# Altium PCB Gateway.PcbDoc (continued)
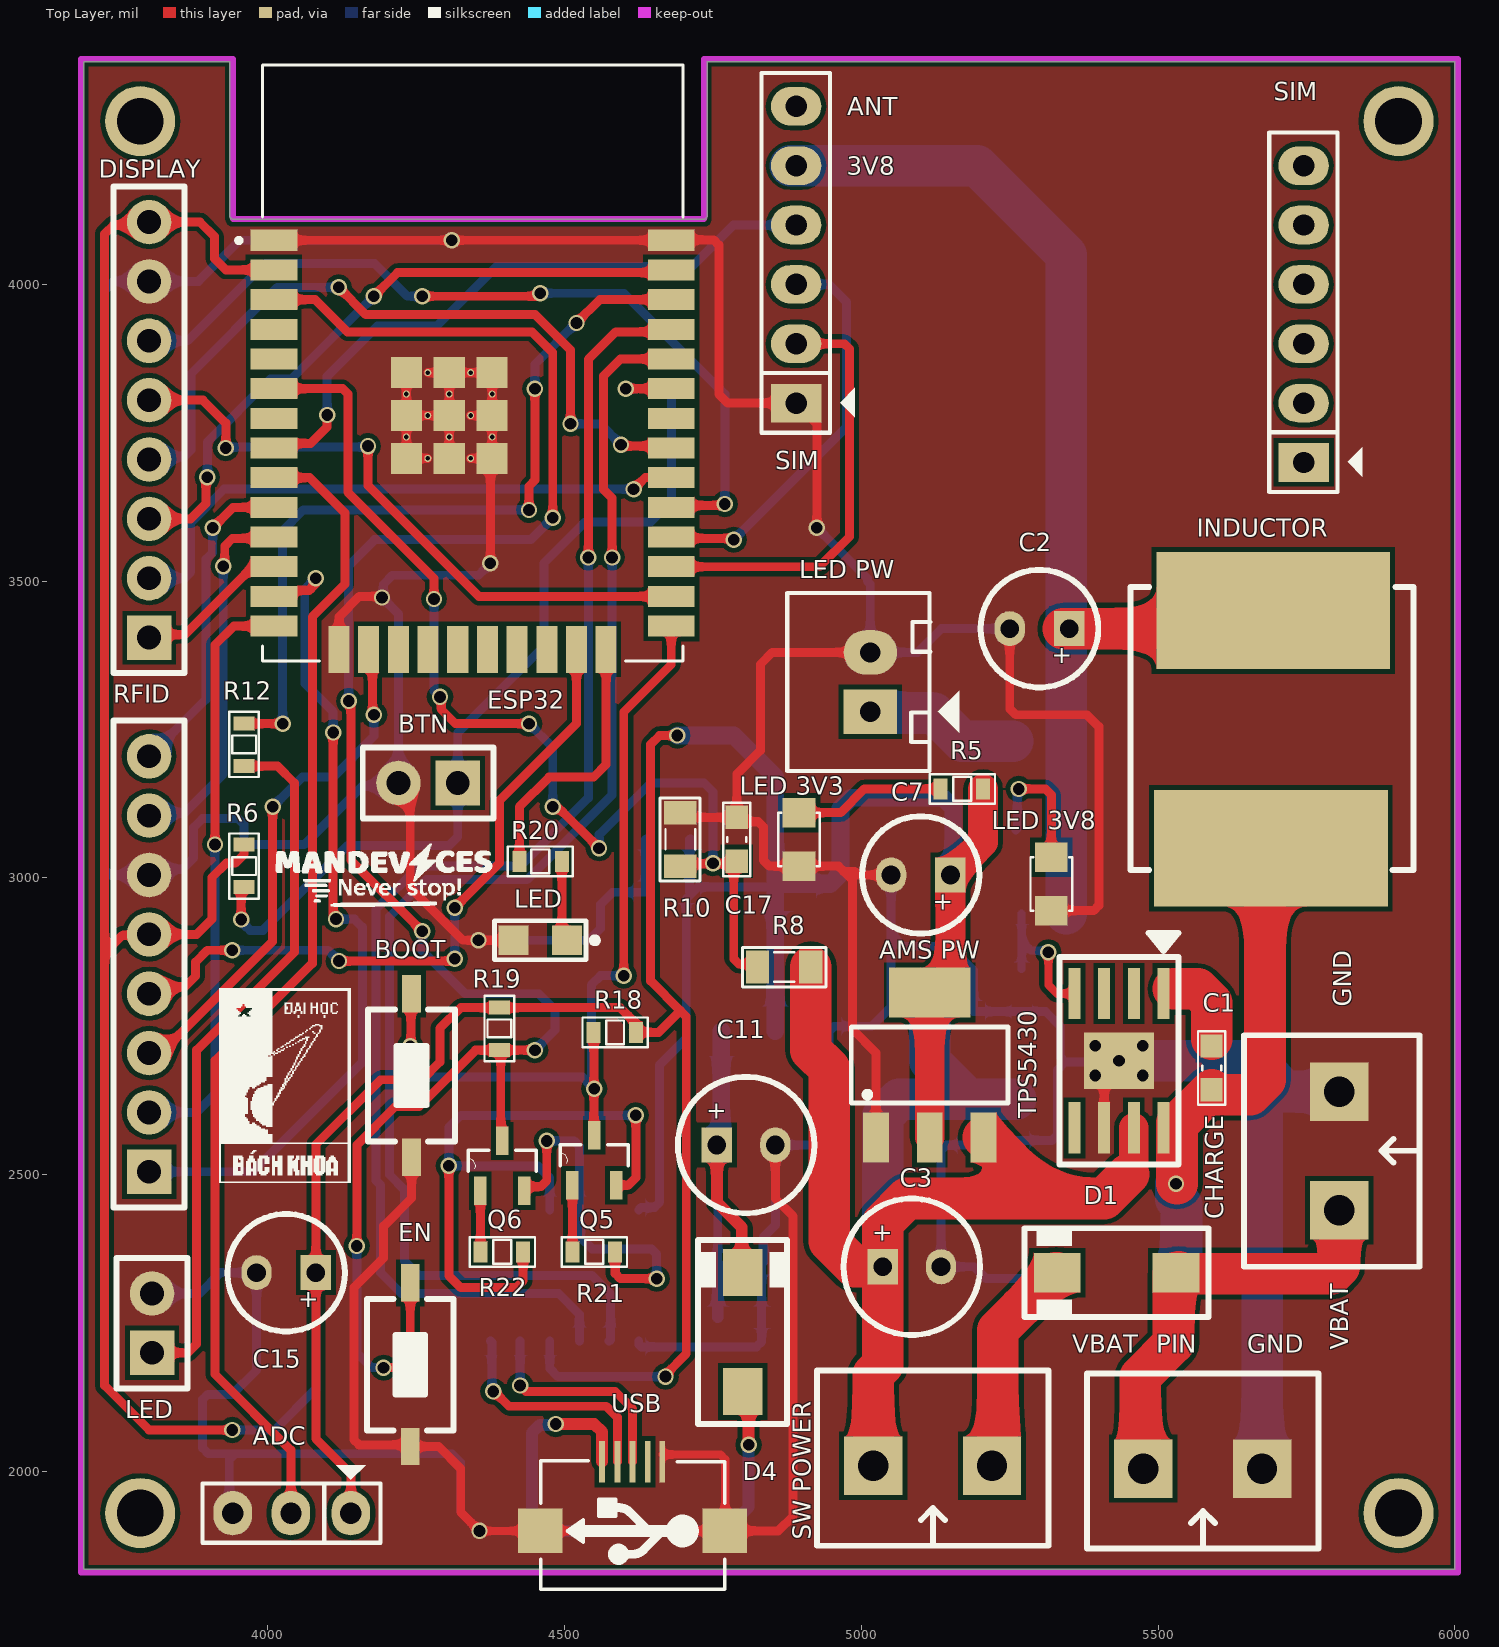
[diagram p0: Top Layer view]
## Footprints (in the part's own frame and the unit in brackets; to place one, negate y for a bottom-side part, rotate by r counter-clockwise, add the part's x,y. Pads: shape width x height; smd on the part's side, far side on the other; paste and mask are expansions set on the pad) (continued)
  silkscreen extent -10.1,-12.75 9,12.75, body extent -10.54,-12.75 8.98,12.75, height 3.2
RES-SMD-0603 [mm]
  rect 0.6x0.9 smd: 1(-0.889,0) 2(0.927,0)
  silkscreen extent -1.4,-0.64 1.4,0.64, body extent -0.8,-0.4 0.8,0.4, height 0.43
RES-SMD-0805 [mil]
  rect 39.37x55 smd: 1(-45,0) 2(45,0)
  silkscreen extent -70,-34 70,33, body extent -39,-25 39,25, height 31
SMA [mm]
  rect 2x1.7 smd: 1(-2.544,0) 2(2.544,0)
  silkscreen extent -3.94,-1.9 3.94,1.91, body extent -2.87,-1.4 2.87,1.4, height 2.29
SOP-16 [mm]
  rect 0.6x1.2 smd: 1(-4.445,-2.8) 2(-3.175,-2.8) 3(-1.905,-2.8) 4(-0.635,-2.8) 5(0.635,-2.8) 6(1.905,-2.8) 7(3.175,-2.8) 8(4.445,-2.8) 9(4.445,2.8) 10(3.175,2.8) 11(1.905,2.8) 12(0.635,2.8) 13(-0.635,2.8) 14(-1.905,2.8) 15(-3.175,2.8) 16(-4.445,2.8)
  silkscreen extent -5.84,-2.67 5.26,1.95, body extent -4.95,-3.47 4.95,3.47, height 1.75
SOT95P240X97-3N [mil]
  rect 48x21 smd: 1(-42,37) 2(-42,-37) 3(42,0)
  silkscreen extent -9,-57 26,57
SOT223 [mm] "SOT-223/SC-73; 4 Leads; Body 6.7 x 7.3 mm, inc. leads (LxW max)"
  rect 1.1x2.15 smd: 1(-2.3,-3.1) 2(0,-3.1) 3(2.3,-3.1)
  rect 3.5x2.15 smd: 4(0,3.1)
  silkscreen extent -3.35,-1.63 3.35,1.63, body extent -3.43,-1.65 3.43,1.65, height 2.54
SW-SMD [mm] "Switch SMD type"
  rect 1.6x0.8 smd: 1(-3.5,0) 2(3.5,0)
  silkscreen extent -2.82,-1.85 2.82,1.85, body extent -3.05,-1.85 3.05,1.85, height 2.5
TPS5430-2 [mm]
  rect 2.2x0.508 smd: 1(-2.875,1.905) 2(-2.875,0.635) 3(-2.875,-0.635) 4(-2.875,-1.905) 5(2.875,-1.905) 6(2.875,-0.635) 7(2.875,0.635) 8(2.875,1.905)
  rect 2.413x2.54 smd: 9(0,0.229) 9(0,-0.229)
  silkscreen extent -5.46,-2.54 4.45,2.54, body extent -3.33,-2.49 3.33,2.49, height 1.69
USB-M1 [mil]
  rect 10x70 smd: 1(51.18,0) 2(25.59,0) 3(0,0) 4(-25.59,0) 5(-50,0)
  rect 74.8x74.8 smd: 5(-155.51,116.84) 5(155.51,116.84)
  silkscreen extent -155,-1 155,215, body extent -157,5 158,218, height 107

## Part data
ADC: library part "JP 1x3 2.54 Cai Thang", "C?m", Chung_Loai=C?m, Don_Vi=Con, Ma_Hang=MH004006, Ten_Linh_Kien="Jump Ðon Cái 2.54MM 1x20P Th?ng"
"AMS 5V" "AMS PW": library part "AMS1117 SMD", "Dán", Chung_Loai=Dán, Don_Vi=Con, Ma_Hang=MH000596
BOOT EN: library part SW2, "Switch button 2 pin"
BTN LED: "Header, 2-Pin", LatestRevisionDate=17-Jul-2002, LatestRevisionNote="Re-released for DXP Platform.", Publisher="Altium Limited"
C1 C4 C5 C8: library part C, "4.7µF ±10% 35V Ceramic Capacitor X5R 0805 (2012 Metric)", Manufacturer="Samsung Electro-Mechanics", Package=0805, Part Number=CL21A475KLCLQNC, Category=CAPACITOR, User_Description="CAP CER 4.7UF 35V X5R 0805"
C2 C7: library part "Cap Pol", "Polarized Capacitor (Axial)", LatestRevisionDate=17-Jul-2002, LatestRevisionNote="Re-released for DXP Platform.", PackageReference=POLAR0.8, Published=8-Jun-2000, Publisher="Altium Limited"
C3 C11 C15: library part CP3, "Cap 470uF/63V"
C6 C10: library part C, "Cap SMD", Manufacturer="Samsung Electro-Mechanics", Package=0805, Part Number=CL21A106KPFNNNG, Category=CAPACITOR, User_Description="CAP CER 10UF 10V X5R 0805"
C13 C14 C17: library part CapSMD, "Capacitor", LatestRevisionDate=17-Jul-2002, LatestRevisionNote="Re-released for DXP Platform.", PackageReference=RAD-0.3, Published=8-Jun-2000, Publisher="Altium Limited"
CH340: "USB to serial chip CH340", Package=Package, Availability=Unavailable, Check_prices=https://www.snapeda.com/parts/CH340C/WCH/view-part/5428851/?ref=eda, MF=WCH, MP=CH340C, Price=None, SnapEDA_Link=https://www.snapeda.com/parts/CH340C/WCH/view-part/5428851/?ref=snap
CHARGE PIN "SW POWER": "WR-PHD 2.54 mm Angled Socket Header", Manufacturer="W¨¹rth Elektronik eiSos GmbH", partNo=613002143121, ComponentLink1 Description=Manufacturer, ComponentLink1URL=http://www.we-online.com, ComponentLink2 Description=Datasheet, ComponentLink2URL=http://katalog.we-online.de/em/datasheet/6130xx143121.pdf, Created by="Karrer Zheng", Created Date="29 March 2013", NoPins=02
D1 D4: library part D1A, "Diode 1A"
D2: "Zener Diode", LatestRevisionDate=17-Jul-2002, LatestRevisionNote="Re-released for DXP Platform.", PackageReference=DIODE-0.7, Published=8-Jun-2000, Publisher="Altium Limited"
DISPLAY RFID: "Header, 8-Pin", LatestRevisionDate=17-Jul-2002, LatestRevisionNote="Re-released for DXP Platform.", Publisher="Altium Limited"
ESP32: "Bluetooth, WiFi 802.11b/g/n, Bluetooth v4.2 +EDR, Class 1, 2 and 3 Transceiver Module 2.4GHz ~ 2.5GHz Antenna Not Included, U.FL Surface Mount", Package="Module Espressif Systems", Availability="In Stock", Check_prices=https://www.snapeda.com/parts/ESP32-WROOM-32/Espressif+Systems/view-part/?ref=eda, MF="Espressif Systems", MP=ESP32-WROOM-32, Price=None, Purchase-URL=https://pricing.snapeda.com/search/part/ESP32-WROOM-32/?ref=eda, SnapEDA_Link=https://www.snapeda.com/parts/ESP32-WROOM-32/Espressif+Systems/view-part/?ref=snap
INDUCTOR: library part L1, "22µH Shielded Inductor 1.65A 96mOhm Max Nonstandard", Manufacturer="Bourns Inc.", Package=SMD, Part Number=SRR0745A-220M, Category=INDUCTORS, User_Description="FIXED IND 22UH 1.65A 96 MOHM SMD"
LED: library part LED0805, "LED SMD 0805"
"LED 3V3" "LED 3V8": library part LED, "LED RED DIFFUSED 0805 SMD", Manufacturer="OSRAM Opto Semiconductors Inc.", Package=0805, Part Number="LS R976-NR-1", Category="LED SMD", User_Description="LED RED DIFFUSED 0805 SMD"
"LED PW": library part JP2, "WR-PHD 2.54 mm Angled Socket Header", Manufacturer="W¨¹rth Elektronik eiSos GmbH", partNo=613002143121, ComponentLink1 Description=Manufacturer, ComponentLink1URL=http://www.we-online.com, ComponentLink2 Description=Datasheet, ComponentLink2URL=http://katalog.we-online.de/em/datasheet/6130xx143121.pdf, Created by="Karrer Zheng", Created Date="29 March 2013", NoPins=02
Q5 Q6: "Bipolar (BJT) Transistor NPN 45V 500mA 100MHz 250mW Surface Mount TO-236AB", Package="SOT-23-3 Rectron", Availability="In Stock", Check_prices=https://www.snapeda.com/parts/BC817/Rectron/view-part/?ref=eda, MF=Rectron, MP=BC817, Price=None, Purchase-URL=https://pricing.snapeda.com/search/part/BC817/?ref=eda, SnapEDA_Link=https://www.snapeda.com/parts/BC817/Rectron/view-part/?ref=snap
R1 R2 R5: library part R, "Resistor 1/4W", Manufacturer=Yageo, Package=0805, Part Number=RC0805FR-071KL, Category=RESISTORS, User_Description="RES SMD 1K OHM 1% 1/8W 0805"
R3: library part R, "RES SMD 10K OHM 1% 1/8W 0805", Manufacturer=Yageo, Package=0805, Part Number=RC0805FR-0710KL, Category=RESISTORS, User_Description="RES SMD 10K OHM 1% 1/8W 0805"
R4: library part R, "RES SMD 3.3K OHM 1% 1/8W 0805", Manufacturer=Yageo, Package=0805, Part Number=RC0805FR-073K3L, Category=RESISTORS, User_Description="RES SMD 3.3K OHM 1% 1/8W 0805"
R6 R8 R10 R12 R18 R19 R20 R21 R22: library part "Resistor - SMD", "Resistor SMD", Manufacturer="Generic Components", Class=Passive, Published=08/06/2000, Publisher="Altium Hobart Technology Centre"
SIM SIM: library part JP6
USB: Manufacturer=FCI, Manufacturer Part Number=10118193-0001LF, Supplier Part Number 1=609-4616-1-ND, .Checked PCB=RF, .Checked SCH=MM, .Creator=MM, Category="Connectors, Interconnects", ComponentLink1Description=http://portal.fciconnect.com/Comergent//fci/drawing/10118193.pdf, ComponentLink1URL=http://portal.fciconnect.com/Comergent//fci/drawing/10118193.pdf, Connector Type="USB - micro B", Features="Shielded, Solder Retention", Gender=Receptacle, Ingress Protection=-, Mounting Type="Surface Mount, Right Angle, Horizontal", Number of Contacts=5, Packaging="Cut Tape (CT)", Pricing 1="1=0.46, 10=0.433, 25=0.3712, 50=0.3156, 100=0.3032, 250=0.27224, 500=0.25988 (USD)", RoHS="RoHS Compliant", Specifications="USB 2.0", Stock 1=28642, Supplier 1=Digi-Key
TPS5430: Name=TPS5430

## Free pads (board coordinates)
  round 118.11 hole 78.74: 0(3785,1930) 0(3785,4275) 0(5905,1930) 0(5905,4275)

## Via types
v1: diameter 27.56, hole 19.68, Top Layer to Bottom Layer, tented both sides, 68 vias
v2: diameter 35.43, hole 19.68, Top Layer to Bottom Layer, 5 vias

## Nets (pads, with @x,y where several pads share a name; then routed paths per layer and width w, separated by ;. In a path a pad name is that pad's centre, name@x,y a point inside that pad or via, vN(x,y) a via of type N, cw(c..) or ccw(c..) an arc to the next point about the centre after c; other vN are vias at no path point)
3V3: "AMS 5V.2" "AMS 5V.4" "AMS PW.2" "AMS PW.4" ADC.1 C7.1 C13.1 C14.1 C15.1 CH340.4 CH340.16 DISPLAY.8 ESP32.2 R5.1 R6.2 R18.1 R19.1 RFID.5 | length 8721.3
  Top Layer w15: v1(3940,2070) 3800,2070 3725,2145 3725,2873.51 ; R6.2 3960,3040 3945,3025 3930,3025 3905.75,3000.75 3905.75,2930.75 3880,2905 RFID.5 3798.51,2903.51 3755,2903.51 3725,2873.51 ; ESP32.2 3929.37,4024.37 3910,4043.74 3910,4080.77 3885.77,4105 DISPLAY.8 3795,4100 3740,4100 3725,4085 3725,2873.51 ; ADC.1 4140,1996.25 4081,2055.25 C15.1 4081,2551 4190,2660 4260,2660 4290,2690 4290,2746.49 4325,2781.49 R19.1 4593.51,2781.49 4620.16,2754.84 R18.1 4658.51,2740 4695,2776.49 ; v1(4670,2160) 4670,2163.4 4705,2198.4 4705,2766.49 4695,2776.49 ; v1(4690,3240) 4660,3240 4645,3225 4645,2826.49 4695,2776.49
  Top Layer w50: 5115,2562.95 5115,2807.05 5141.57,2807.05 5148.9,2814.37 5148.9,2840.95 5150,2842.05 C7.1 5205,3060 R5.1
  Bottom Layer w15: v1(3940,2070) 4011.6,2070 4081,2139.4 C15.1 ; CH340.4 4475,2173.79 4488.79,2160 v1(4670,2160) ; CH340.16 4625,2440.69 4629.31,2445 4651.21,2445 4660,2453.79 4660,2685 4705,2730 4705,2965 4725,2985 4854.07,2985 4855,2985.93 ; C14.1@4710.5,2977.5 4710.5,3064.5 C13.1
  Bottom Layer w30: v1(4690,3240) 4785,3240 4855,3170 4855,2985.93 ; 4855,2741.83 4855,2985.93 ; C7.1 5155,3010 5155,3117.43 5137.43,3135 4982.57,3135 4965,3117.43 4965,3007.57 4947.43,2990 4859.07,2990 4855,2985.93
3V8: C2.1 INDUCTOR.2 R1.1 R2.1 R3.2 SIM.5@4890,4200 | length 1985.1
  Top Layer w70: C2.1@5340,3420 C2.1 5663.15,3420 INDUCTOR.2
  Bottom Layer w70: SIM.5@4880,4200 4890,4200 5195,4200 5345,4050 C2.1@5345,3420 ; R3.2@5345,2940 R1.1@5345,3072.49 ; R1.1@5345,3086 R2.1 C2.1@5345,3415
5V: "AMS 5V.3" C6.1 C10.1 C11.1 D4.2 | length 718.8
  Top Layer w20: C11.1 4756.57,2453.43 4798.46,2411.54 4798.46,2336.69 D4.2
  Bottom Layer w15: C11.1 4758,2548.57 C6.1
  Bottom Layer w20: C10.1 C6.1
  Bottom Layer w30: C11.1 4763.9,2557.32 4763.9,2741.83 4764.45,2741.83
CH340_RX: CH340.3 ESP32.35 | length 2359.7
  Top Layer w15: v1(4540,3540) 4540,3873.77 4586.23,3920 4675.28,3920 ESP32.35
  Bottom Layer w15: CH340.3 4525,2265 4490,2300 4225,2300 4190,2335 4190,2482.65 4182.13,2490.53 4182.13,2947.13 4255,3020 4425,3020 4540,3135 v1(4540,3540)
CH340_TX: CH340.2 ESP32.34 | length 2338.5
  Top Layer w15: v1(4580,3540) 4580,3640 4565.85,3654.15 4565.85,3845.85 4594.37,3874.37 ESP32.34
  Bottom Layer w15: CH340.2 4577.6,2222.36 4577.6,2298.63 4546.23,2330 4255,2330 4230,2355 4230,2475 4205,2500 4205,2935 4267.13,2997.13 4437.13,2997.13 4580,3140 v1(4580,3540)
D0_N: CH340.6 USB.2 | length 388.2
  Top Layer w15: v1(4380,2135) 4381.31,2135 4406.31,2110 4570,2110 4588.9,2091.1 USB.2
  Bottom Layer w15: CH340.6 4377.6,2217.17 4377.6,2137.4 v1(4380,2135)
D0_P: CH340.5 USB.3 | length 369.4
  Top Layer w15: v1(4425,2145) 4425,2144.84 4435,2134.84 4585.16,2134.84 4614.49,2105.51 USB.3
  Bottom Layer w15: v1(4425,2145) CH340.5
EN: EN.1 ESP32.3 Q6.3 R19.2 | length 3308.5
  Top Layer w15: ESP32.3 4079.78,3974.37 4134.15,3920 4445,3920 4480,3885 v1(4480,3606.83) ; v1(4136.25,3298.12) 4140,3294.37 4140,3030 v1(4260,2910) ; v1(4150,2380) 4150,2550 4215,2615 4255,2615 4350,2710 R19.2 ; v1(4195,2175) 4215,2175 4240,2200 EN.1 ; Q6.3 4392.5,2559.5 4392.5,2707.5 R19.2 ; v1(4450,2710) R19.2
  Bottom Layer w15: v1(4136.25,3298.12) 4136.25,3526.25 4180,3570 4443.17,3570 v1(4480,3606.83) ; v1(4150,2380) 4150,2200 4175,2175 v1(4195,2175) ; v1(4260,2910) 4260,2877.56 4332.56,2805 4456.72,2805 4483.55,2778.16 4483.55,2743.55 v1(4450,2710)
GND: "AMS 5V.1" "AMS PW.1" "LED 3V3.2" "LED 3V8.2" "LED PW.2" ADC.3 BOOT.2 BTN.2 C2.2 C3.2 C4.1 C5.1 C6.2 C7.2 C8.1 C10.2 C11.2 C13.2 C14.2 C15.2 C17.1 CH340.1 CHARGE.1 D2.1 DISPLAY.7 EN.2 ESP32.1 ESP32.15 ESP32.38 ESP32.39_1 ESP32.39_2 ESP32.39_3 ESP32.39_4 ESP32.39_5 ESP32.39_6 ESP32.39_7 ESP32.39_8 ESP32.39_9 ESP32.39_10 ESP32.39_11 ESP32.39_12 ESP32.39_13 ESP32.39_14 ESP32.39_15 ESP32.39_16 ESP32.39_17 ESP32.39_18 ESP32.39_19 ESP32.39_20 ESP32.39_21 LED.2 PIN.1 R4.1 R10.1 RFID.6 SIM.1@4890,3800 TPS5430.6 TPS5430.9 USB.5 | length 15666.9
  Top Layer w13.78: v1(4356.54,1900) 4458.98,1900 USB.5@4770,1900 ; USB.5@4665,2028.68 4762.44,2028.68 4770.51,2020.61 USB.5@4770.51,1911.84
  Top Layer w15: ESP32.1 v1(4310,4074.37) ESP32.38 4680.28,4075 4751.21,4075 4760,4066.21 4760,3815 4775,3800 4890,3800 4925,3765 v1(4925,3590) ; ESP32.15 4120,3440 4154.37,3474.37 v1@4192.5,3474.37 ; BTN.2 4240,3140 4240,2983.77 4328.77,2895 v1(4355,2895) LED.2@4413.98,2895 ; ESP32.39_1 ESP32.39_12 ESP32.39_4 ; BOOT.2 4242.13,2460.55 4195,2413.43 4195,2360 4145,2310 4145,2053.79 4153.79,2045 4237.2,2045 EN.2 4287.8,2042.2 4325,2005 4325,1931.54 v1(4356.54,1900) ; ESP32.39_20 ESP32.39_7 ESP32.39_17 ESP32.39_4 ; ESP32.39_10 ESP32.39_2 ; ESP32.39_8 ESP32.39_18 ESP32.39_5 ; ESP32.39_21 ESP32.39_9 ; ESP32.39_16 ESP32.39_6 ; v1(4375,3530) 4375,3703.98 ESP32.39_9 ; R10.1 4703,3102 C17.1 ; USB.5@4770,1900 4860,1900 4885,1925 4885,2430 4855,2460 C11.2 ; 5015,3380 4850,3380 4830,3360 4830,3215 4790,3175 C17.1 ; 5024.45,2562.95 5024.45,2705.55 4985,2745 4985,2996.21 4970,3011.21 ; C7.2 4995,3005 4988.79,3011.21 4970,3011.21 ; C2.2 5250,3285 5260,3275 5380,3275 5400,3255 5400,2953.79 5391.21,2945 5320,2945 ; TPS5430.6 5409,2676.13 TPS5430.9@5425,2692.13 ; ESP32.39_4 ESP32.39_15 ESP32.39_5 ; ESP32.39_5 ESP32.39_13 ESP32.39_2 ; ESP32.39_2 ESP32.39_11 ESP32.39_3 ESP32.39_14 ESP32.39_6 ; ESP32.39_9 ESP32.39_19 ESP32.39_6 ; C17.1 4797,3095 4826.21,3095 4835,3086.21 4835,3030 4845,3020 4895,3020 4961.21,3020 4970,3011.21
  Bottom Layer w15: LED.2@3805,2300 3885,2300 3920,2335 C15.2 3981,2171 3940,2130 3898.79,2130 3890,2121.21 3890,2040 3900,2030 3945,2030 ; ADC.3 3935,1936 3935,2020 3945,2030 ; v1(4310,4074.37) 3952.54,4074.37 3883.17,4005 DISPLAY.7 3740,4005 3725,3990 3725,3013.79 3733.79,3005 RFID.6 3810,3015 3856.21,3015 3875,3033.79 3875,3085 3890,3100 3950,3100 3960,3090 3960,3065 3968.79,3056.21 4061.21,3056.21 4160,3155 4215,3155 BTN.2 4220,3445 v1(4192.5,3472.5) 4194.9,3474.9 4194.9,3494.9 4210,3510 4355,3510 v1(4375,3530) ; v1(4355,2895) 4540.63,2895 4560.63,2915 4560.63,2955.63 4581,2976 C14.2 4636.5,2977.5 4636.5,3064.5 C13.2 ; v1(4356.54,1900) 4325,1931.54 4325,2015 4310,2030 3945,2030 ; CH340.1 4625,2214.31 4629.31,2210 4823.2,2210 4832,2218.8 C10.2 C6.2 4835,2353 4835,2395 4855,2415 C11.2 4925,2550 4945.55,2570.55 4945.55,2741.83 4953.93,2750.21 5017.5,2750.21 5050,2782.71 5050,2905 ; v1(4925,3590) 5010,3505 5010,3500 5015,3495 5015,3380 5095,3380 5135,3420 C2.2 ; C7.2 5050,2905 ; D2.1 5329.84,2325 5210,2325 5190,2345 C3.2 5134.21,2541.21 5143,2550 5177,2550 C4.1 5185,2558 C5.1 5321.21,2558 5330,2566.79 5330,2676.21 5343.79,2690 ; 5470,2692.13 5467.87,2690 5343.79,2690 ; 5050,2905 5070,2885 5148,2885 5189,2844 C8.1 5280,2775 5310.22,2775 5335,2750.21 5335,2698.79 5343.79,2690
  Bottom Layer w70: 5470,2692.13 5662.87,2692.13 5675,2680 ; PIN.1 5675,2680 ; CHARGE.1 5715,2640 5675,2680
  other v2: 5394,2667.13 5474,2667.13 5434,2692.13 5394,2717.13 5474,2717.13
IO2: ESP32.24 R20.1 | length 461.2
  Top Layer w15: R20.1 4423.97,3120 4473.98,3170 4548.67,3170 4570,3191.33 ESP32.24
IO_0: BOOT.1 ESP32.25 Q5.3 R18.2 | length 1468.6
  Top Layer w15: v1(4240,2716.29) 4241.06,2717.35 4241.06,2803.86 BOOT.1 ; R18.2 4549.33,2739.33 4549.33,2567.17 Q5.3 ; v1@4603.04,2835.47 v1(4599.65,2835.47) 4599.65,3279.65 4679.65,3359.65 ESP32.25
  Bottom Layer w15: v1(4240,2716.29) 4242.4,2713.88 4242.4,2692.6 4270,2665 4530,2665 v1(4550,2645) ; v1@4545,2653.4 4545,2819.84 4560.63,2835.47 v1(4599.65,2835.47)
NetC1_1: C1.1 D2.2 INDUCTOR.1 TPS5430.8 | length 870.9
  Top Layer w20: TPS5430.8 5517.31,2587.24 5531.69,2587.24
  Top Layer w70: v1@5531.69,2485.16 5531.69,2584.69 ; 5531.69,2587.24 5531.69,2584.69 ; INDUCTOR.1 5680,3040 5680,2660 5655,2635 5598,2635 C1.1 5531.69,2584.69
  Bottom Layer w70: v1(5530,2485) 5530,2459.05 5539.53,2449.53 5539.53,2331.54 5537.99,2330 D2.2
NetC1_2: C1.2 TPS5430.1 | length 135.6
  Top Layer w70: 5525.79,2813 5567,2813 5590,2790 C1.2@5590,2728.11
NetC17_2: C17.2 ESP32.6 R8.1 R10.2 | length 1828.2
  Top Layer w15: ESP32.6 4126.21,3824.37 4135,3815.58 4135,3650 4280,3505 v1(4280,3470) ; v1(4290,3305) 4292.4,3302.6 4292.4,3283.79 4316.19,3260 v1(4440,3260) ; v1(4480,3120) 4488.04,3120 v1(4558.04,3050) ; R10.2 4699,3024 C17.2@4786,3024 ; C17.2 C17.2@4786,3024 ; R8.1 4820,2855 4793.79,2855 4785,2863.79 4785,3023 C17.2@4786,3024
  Bottom Layer w15: v1(4280,3470) 4280,3315 v1(4290,3305) ; v1(4440,3260) 4480,3220 v1(4480,3120) ; v1(4558.04,3050) 4558.04,3073.04 4645,3160 4735,3160 4750,3145 v1(4750,3025)
NetCH340_13: CH340.13 Q5.2 R22.1 | length 1138.3
  Top Layer w15: v1(4305,2515) 4305,2330 4325,2310 4418.62,2310 4430,2321.39 4430,2364.8 4427.4,2367.4 R22.1 ; Q5.2 4607.5,2482.5 4620,2495 v1(4620,2600)
  Bottom Layer w15: CH340.13 4475,2495 4455,2515 v1(4305,2515) 4305,2580 4325,2600 v1(4620,2600)
NetCH340_14: CH340.14 Q6.2 R21.1 | length 618.4
  Top Layer w15: Q6.2 4432,2477 4435,2480 4460,2480 4470,2490 v1(4470,2557) ; R21.1 4585,2333.79 4593.79,2325 v1(4655,2325)
  Bottom Layer w15: v1(4470,2557) 4516,2557 4525,2548 CH340.14 4527.12,2438.12 4527.12,2394.11 4546.23,2375 4646.21,2375 4655,2366.21 v1(4655,2325)
NetD1_1: CHARGE.2 D1.1 PIN.2 | length 738.9
  Top Layer w70: PIN.2 5470,2010 5470,2160 5525.79,2215.79 5525.79,2333.46 5527.32,2335 D1.1 ; D1.1@5534.53,2336.54 5532.99,2335 D1.1 ; CHARGE.2 5805,2345 5793.46,2333.46 5531.69,2333.46 D1.1
NetD1_2: "SW POWER.1" D1.2 | length 372.2
  Top Layer w70: 5220,2010 5230,2020 5230,2237.99 5327.01,2335 D1.2
NetD4_1: D4.1 USB.1 | length 918.6
  Top Layer w20: v1(4485,2080) 4550,2080 4563.31,2066.69 USB.1 ; D4.1 4810,2124.84 v1(4810,2045)
  Bottom Layer w20: v1(4485,2080) 4483.55,2078.55 4458.55,2078.55 4445,2065 4445,1911.72 4456.72,1900 4770,1900 4810,1940 v1(4810,2045)
NetJ3_1: "LED PW.1" R2.2 | length 260.7
  Bottom Layer w70: 5015,3280 5017.5,3277.5 5122.5,3277.5 5170,3230 R2.2
NetJP1_2: ESP32.27 SIM.2@4890,3900 | length 766.2
  Top Layer w15: ESP32.27 4929.37,3524.37 4980,3575 4980,3891.21 4971.21,3900 SIM.2@4855,3900
NetJP1_3: ESP32.28 SIM.3@4890,4000 | length 718.3
  Top Layer w15: ESP32.28 4681.83,3572.19 4782.81,3572.19 v1(4785,3570)
  Bottom Layer w15: v1(4785,3570) 4975,3760 4975,3970 4945,4000 SIM.3@4855,4000
NetJP1_4: ESP32.8 SIM.4@4890,4100 | length 1050
  Top Layer w15: ESP32.8 4018.21,3732.22 4072.22,3732.22 4100,3760 v1(4100,3780)
  Bottom Layer w15: v1(4100,3780) 4100,3845 4185,3930 4285,3930 4385,4030 4714.45,4030 4784.45,4100 SIM.4@4855,4100
NetJP3_2: ADC.2 ESP32.9 | length 1973
  Top Layer w15: ESP32.9 4070.63,3674.37 4130,3615 4130,3495 4075,3440 4075,2856.23 3911,2692.23 3911,2164 4039,2036 ADC.2
NetLED_1: LED.1@4503.98,2895 R20.2 | length 136.5
  Top Layer w15: R20.2 4495.46,2903.51 LED.1@4503.98,2895
NetP1_1: DISPLAY.1 ESP32.12 | length 259.8
  Top Layer w15: DISPLAY.1 3805,3410 3859.99,3410 3974.36,3524.37 ESP32.12
NetP1_2: DISPLAY.2 ESP32.30 | length 999.1
  Top Layer w15: v1(4616.21,3655) 4635.9,3674.69 4679.33,3674.69 ESP32.30
  Bottom Layer w15: DISPLAY.2 3860,3505 3869.99,3514.99 3869.99,3598.77 3926.21,3655 v1(4616.21,3655)
NetP1_3: DISPLAY.3 ESP32.37 | length 1112.7
  Top Layer w15: DISPLAY.3 3870,3605 3895.77,3630.77 3895.77,3672.6 v1(3898.17,3675) ; v1(4178.72,3980) 4218.72,4020 4675.28,4020 ESP32.37
  Bottom Layer w15: v1(3898.17,3675) 3898.17,3734.4 4004.41,3840.64 4039.36,3840.64 v1(4178.72,3980)
NetP1_4: DISPLAY.4 ESP32.31 | length 1260.2
  Top Layer w15: v1(4119.37,3995) 4165.22,3949.15 4450.22,3949.15 4510,3889.37 v1(4510,3765) ; v1(4595,3730) 4597.4,3727.6 4676.42,3727.6 ESP32.31
  Bottom Layer w15: DISPLAY.4 3805,3710 3860,3710 3870.61,3720.61 3870.61,3849.39 4016.21,3995 v1(4119.37,3995) ; v1(4510,3765) 4560,3765 v1(4595,3730)
NetP1_5: DISPLAY.5 ESP32.26 | length 1082.7
  Top Layer w15: DISPLAY.5 3890.77,3805 3929.37,3766.4 v1(3929.37,3724.37) ; v1(4168.72,3727.6) 4168.72,3661.28 4355.63,3474.37 ESP32.26
  Bottom Layer w15: v1(3929.37,3724.37) 3930.98,3725.98 4167.11,3725.98 v1(4168.72,3727.6)
NetP1_6: DISPLAY.6 ESP32.29 | length 1396.8
  Top Layer w15: v1(4260,3980) 4450.58,3980 4455.58,3985 v1(4458.98,3985) ; ESP32.29 4682.87,3627.6 4767.6,3627.6 v1(4770,3630)
  Bottom Layer w15: DISPLAY.6 3865,3905 3995,4035 4180,4035 4235,3980 v1(4260,3980) ; v1(4458.98,3985) 4600,3985 4770,3815 v1(4770,3630)
NetP2_1: ESP32.13 RFID.1 | length 1409.1
  Top Layer w15: ESP32.13@4008.17,3472.19 ESP32.13 4020.57,3484.59 4069.59,3484.59 4081,3496 v1(4081,3505) ; v1(4110,3245) 4110,2935.75 v1(4115,2930.75)
  Bottom Layer w15: RFID.1 3975,2505 4159.25,2689.25 4159.25,2917.35 4145.86,2930.75 v1(4115,2930.75) ; v1(4081,3505) 4062.17,3486.17 4062.17,3327.83 4110,3280 v1(4110,3245)
NetP2_2: ESP32.14 RFID.2 | length 993
  Top Layer w15: v1(3911,3056.49) 3911,3392.71 3942.66,3424.37 ESP32.14
  Bottom Layer w15: RFID.2 3880,2605 3910.85,2635.85 3910.85,3056.34 v1(3911,3056.49)
NetP2_3: ESP32.16 RFID.3 | length 882.6
  Top Layer w15: RFID.3 3820,2705 4008.17,2893.17 v1(4008.17,3120) ; ESP32.16 4176.37,3378.63 4176.37,3277.4 v1(4178.77,3275)
  Bottom Layer w15: v1(4008.17,3120) 4058.17,3170 4110,3170 4178.72,3238.72 4178.72,3274.95 v1(4178.77,3275)
NetP2_4: ESP32.23 RFID.4 | length 1174.3
  Top Layer w15: RFID.4 3811.48,2816.48 3859.99,2816.48 3878.17,2834.66 3878.17,2858.17 3898.17,2878.17 v1(3940,2878.17) ; v1(4120,2860) 4311.21,2860 v1(4315,2863.79) ; v1(4315,2950) 4390,3025 4390,3130 4520,3260 ESP32.23
  Bottom Layer w15: v1(3940,2878.17) 4101.83,2878.17 v1(4120,2860) ; v1(4315,2863.79) v1(4315,2950)
NetP2_7: ESP32.11 RFID.7 | length 628.4
  Top Layer w15: v1(3925,3525) 3927.4,3527.4 3927.4,3559.11 3940.48,3572.19 4008.17,3572.19 ESP32.11
  Bottom Layer w15: RFID.7 3805,3110 3860,3110 3925,3175 v1(3925,3525)
NetP2_8: ESP32.10 RFID.8 | length 546.8
  Top Layer w15: v1(3907.13,3590) 3941.5,3624.37 ESP32.10
  Bottom Layer w15: RFID.8 3895.85,3300.85 3895.85,3537.08 3907.13,3548.36 v1(3907.13,3590)
NetP3_1: BTN.1 ESP32.33 R6.1 | length 1621
  Top Layer w15: v1@3960,2935 v1(3955,2930) 3955,2980 R6.1 ; v1(4603.04,3824.37) ESP32.33
  Bottom Layer w15: v1(3955,2930) 3955,2926.6 3970,2911.6 3991.6,2911.6 4135,3055 4305.5,3055 4320,3069.5 BTN.1 4320,3245 4465,3390 4465,3530 4535,3600 4645,3600 4680,3635 4680,3815.58 4671.21,3824.37 v1(4603.04,3824.37)
NetP4_1: LED.1@3805,2200 R12.2 | length 1191.4
  Top Layer w15: LED.1@3805,2200 3865,2200 3880,2215 3880,2710 4045,2875 4045,3160 4016.49,3188.51 R12.2
NetPW1_1: "LED 3V8.1" R1.2 | length 235.2
  Top Layer w15: v1(5265,3150) 5310,3150 5320,3140 5320,3035
  Bottom Layer w15: R1.2 5262.6,3083.6 5262.6,3147.6 v1(5265,3150)
NetPW2_1: "LED 3V3.1" R5.2 | length 255.1
  Top Layer w15: 4895,3110 4965,3110 5005,3150 R5.2
NetQ5_1: Q5.1 R21.2 | length 112.7
  Top Layer w15: Q5.1 4513.26,2482.24 4513.26,2370.25 R21.2
NetQ6_1: Q6.1 R22.2 | length 103.2
  Top Layer w15: Q6.1 4358.26,2472.74 4358.26,2370.25 R22.2
NetR3_1: R3.1 R4.2 TPS5430.4 | length 251.5
  Top Layer w13.78: v1(5315,2875) 5315,2819.84 5329.84,2805 5358.69,2805 TPS5430.4
  Bottom Layer w13.78: R4.2 5270,2893.24 ; R3.1 5270,2893.24 ; v1(5315,2875) 5312.36,2877.64 5285.61,2877.64 5270,2893.24
NetR12_1: ESP32.36 R12.1 | length 1343.6
  Top Layer w15: R12.1 v1(4025,3260) ; v1(4440,3620) 4440,3660 4450,3670 v1(4450,3824.37) ; v1(4520,3935) 4559.37,3974.37 ESP32.36
  Bottom Layer w15: v1(4025,3260) 4025,3585 4060,3620 v1(4440,3620) ; v1(4450,3824.37) 4450,3865 v1(4520,3935)
VBAT: "AMS PW.3" "SW POWER.2" C3.1 C4.2 C5.2 C8.2 R8.2 TPS5430.7 | length 2326.7
  Top Layer w50: 5459,2515 TPS5430.7
  Top Layer w70: R8.2 4915,2710 4945.55,2679.45 4945.55,2387.95 4988.51,2345 C3.1 ; 5020,2010 5020,2164.21 5035.79,2180 C3.1 ; 5205.55,2562.95 5211.57,2562.95 5314.53,2460 ; 5450,2501.01 5408.99,2460 5314.53,2460 ; C3.1 5035.79,2418.99 5076.79,2460 5314.53,2460
  Bottom Layer w70: C3.1 5035.79,2598.99 5063.79,2627 C4.2 ; C8.2 5115,2692 C4.2 ; C5.2@5260,2627 C4.2
pads on no net: CH340.7 CH340.8 CH340.9 CH340.10 CH340.11 CH340.12 CH340.15 ESP32.4 ESP32.5 ESP32.7 ESP32.17 ESP32.18 ESP32.19 ESP32.20 ESP32.21 ESP32.22 ESP32.32 SIM.1@5745,3700 SIM.2@5745,3800 SIM.3@5745,3900 SIM.4@5745,4000 SIM.5@5745,4100 SIM.6 TPS5430.2 TPS5430.3 TPS5430.5 USB.4

## Polygon pours and split planes (outlines as drawn)
GND on Top Layer "GND_L01_P070" (solid, remove dead copper, pour order 70): 3685,4380 3941,4380 3941,4110 4735,4110 4735,4380 6005,4380 6005,1830 3685,1830
no net on Top Layer "NONET_L01_P060" (solid, pour order 60): 5840,5200
no net on Top Layer "NONET_L01_P048" (solid, pour order 48): 5835,5200
no net on Top Layer "NONET_L01_P046" (solid, pour order 46): 5835,5195
no net on Top Layer "NONET_L01_P040" (solid, pour order 40): 5840,5200
no net on Top Layer "NONET_L01_P016" (solid, pour order 16): 5940,5030
no net on Top Layer "NONET_L01_P014" (solid, pour order 14): 2240,2385
no net on Top Layer "NONET_L01_P012" (solid, pour order 12): 5940,2380
no net on Top Layer "NONET_L01_P010" (solid, pour order 10): 5940,2385
no net on Top Layer "NONET_L01_P008" (solid, pour order 8): 2240,2215
GND on Bottom Layer "GND_L02_P068" (solid, remove dead copper, pour order 68): 3685,4380 3941,4380 3941,4110 4735,4110 4735,4380 6005,4380 6005,1830 3685,1830
no net on Bottom Layer "NONET_L02_P026" (solid, pour order 26): 2240,2385
no net on Bottom Layer "NONET_L02_P024" (solid, pour order 24): 2240,5200 2240,2215
no net on Bottom Layer "NONET_L02_P022" (solid, pour order 22): 2245,5200
no net on Bottom Overlay "NONET_L-01_P-001" (solid): 4790,4535
no net on Bottom Overlay "NONET_L-01_P-001" (solid): 4835,4760

## Keep-outs
Keep-Out Layer:
  lines w10: 3685,1830 3685,4380 3941,4380 3941,4110 4735,4110 4735,4380 6005,4380 6005,1830 3685,1830

## Silkscreen, mask and mechanical layers (free items; w line width, h text height)
Top Overlay:
  drawing of 1603 lines, arcs and shapes, not listed
  text "ANT" at 4976.5,4285 h30
  text "3V8" at 4975,4185 h30
  text "GND" at 5825,2782.8 h30 r90
  text "VBAT" at 5820,2205 h30 r90
  text "VBAT" at 5355,2200 h30
  text "GND" at 5650,2200 h30

## Text inside footprints (layer, text, board x,y; h text height)
C2: Top Overlay "+" at 5355,3387 h30 r180
C3: Top Overlay "+" at 5018,2389 h30
C7: Top Overlay "+" at 5155,2972 h30 r180
C11: Top Overlay "+" at 4738.79,2594 h30
C15: Top Overlay "+" at 4086,2302 h30 r180
ESP32: Mechanical 13 "ANTENNA" at 4108.78,4221.61 h30